# EAGLE board Mk4 Final Panel 8up 2x4 (EAGLE 9.0.1), part 4 of 23 (continued)
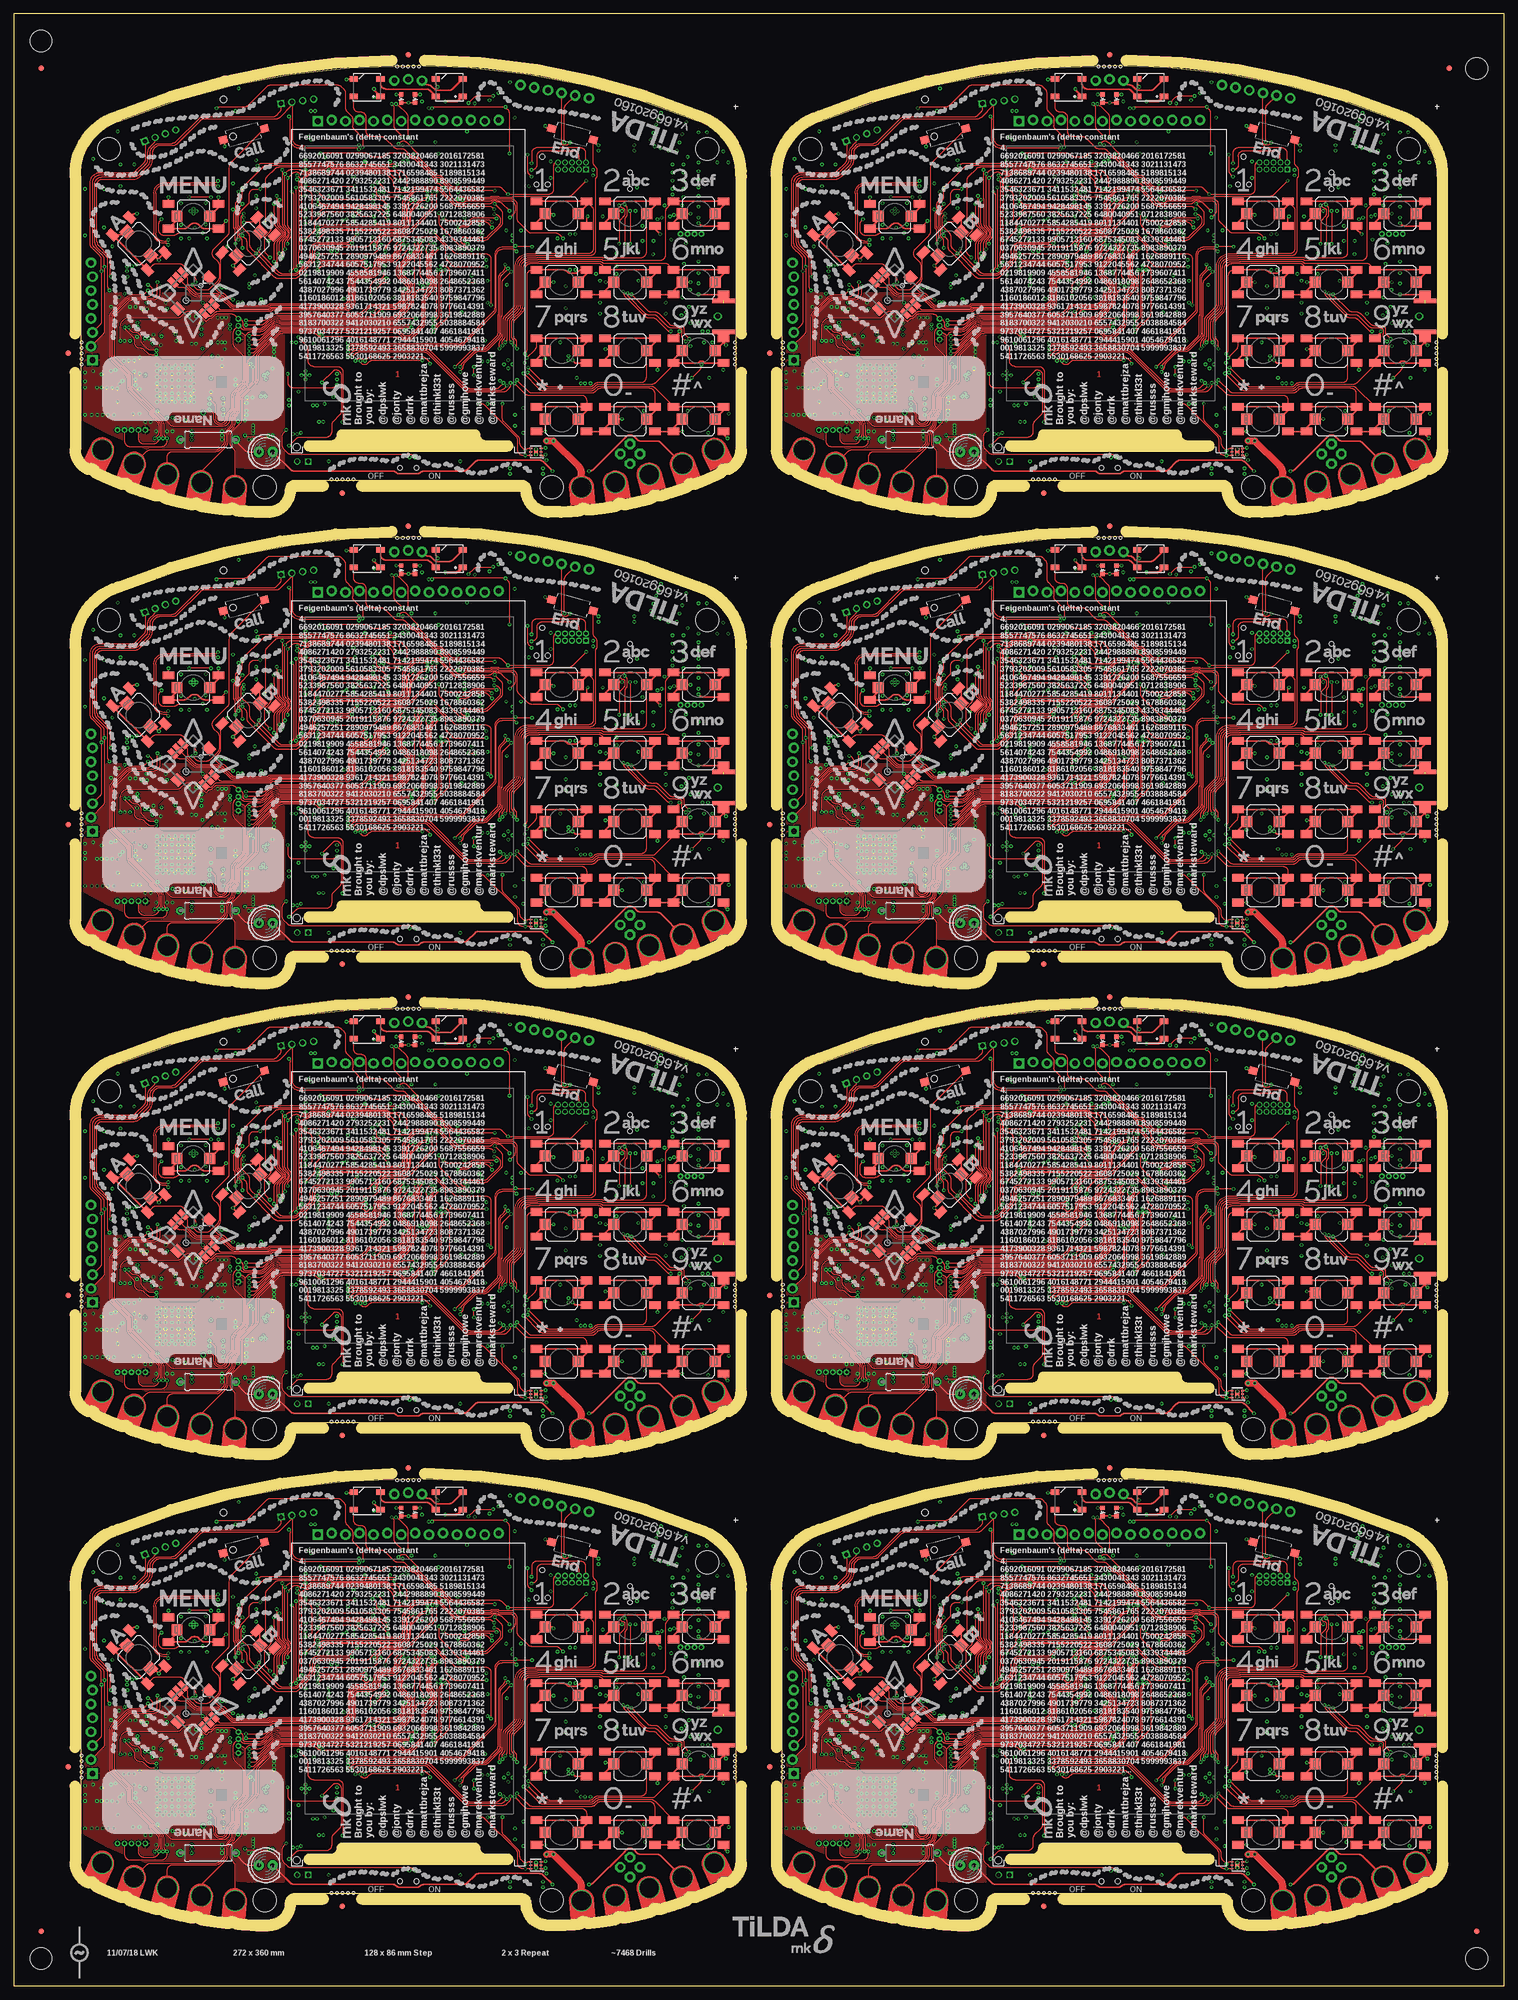
[diagram p0: board, top side]
## Nets (continued)
AMP_IN_P [Audio]: J9.2 J9.3 R57.2 R75.2 R77.2
AMP_IN_P1 [Audio]: J17.2 J17.3 R135.2 R153.2 R156.2
AMP_IN_P2 [Audio]: J27.2 J27.3 R213.2 R231.2 R234.2
AMP_IN_P3 [Audio]: J37.2 J37.3 R291.2 R309.2 R312.2
AMP_IN_P4 [Audio]: J47.2 J47.3 R369.2 R387.2 R390.2
AMP_IN_P5 [Audio]: J57.2 J57.3 R447.2 R465.2 R468.2
AMP_IN_P6 [Audio]: J67.2 J67.3 R525.2 R543.2 R546.2
AMP_IN_P7 [Audio]: J77.2 J77.3 R603.2 R621.2 R624.2
AMP_IN_R1_N: C106.1 R78.1
AMP_IN_R1_N1: C214.1 R154.1
AMP_IN_R1_N2: C322.1 R232.1
AMP_IN_R1_N3: C430.1 R310.1
AMP_IN_R1_N4: C538.1 R388.1
AMP_IN_R1_N5: C646.1 R466.1
AMP_IN_R1_N6: C754.1 R544.1
AMP_IN_R1_N7: C862.1 R622.1
AMP_IN_R1_P: C105.1 R77.1
AMP_IN_R1_P1: C213.1 R153.1
AMP_IN_R1_P2: C321.1 R231.1
AMP_IN_R1_P3: C429.1 R309.1
AMP_IN_R1_P4: C537.1 R387.1
AMP_IN_R1_P5: C645.1 R465.1
AMP_IN_R1_P6: C753.1 R543.1
AMP_IN_R1_P7: C861.1 R621.1
AMP_IN_R_N [Audio]: C82.1 R58.1
AMP_IN_R_N1 [Audio]: C183.1 R136.1
AMP_IN_R_N2 [Audio]: C291.1 R214.1
AMP_IN_R_N3 [Audio]: C399.1 R292.1
AMP_IN_R_N4 [Audio]: C507.1 R370.1
AMP_IN_R_N5 [Audio]: C615.1 R448.1
AMP_IN_R_N6 [Audio]: C723.1 R526.1
AMP_IN_R_N7 [Audio]: C831.1 R604.1
AMP_IN_R_P [Audio]: C83.1 R57.1
AMP_IN_R_P1 [Audio]: C184.1 R135.1
AMP_IN_R_P2 [Audio]: C292.1 R213.1
AMP_IN_R_P3 [Audio]: C400.1 R291.1
AMP_IN_R_P4 [Audio]: C508.1 R369.1
AMP_IN_R_P5 [Audio]: C616.1 R447.1
AMP_IN_R_P6 [Audio]: C724.1 R525.1
AMP_IN_R_P7 [Audio]: C832.1 R603.1
AMP_IN_TRS_P [Audio]: IC13.3 J9.5 J9.6 R75.1
AMP_IN_TRS_P1 [Audio]: IC28.3 J17.5 J17.6 R156.1
AMP_IN_TRS_P2 [Audio]: IC46.3 J27.5 J27.6 R234.1
AMP_IN_TRS_P3 [Audio]: IC64.3 J37.5 J37.6 R312.1
AMP_IN_TRS_P4 [Audio]: IC82.3 J47.5 J47.6 R390.1
AMP_IN_TRS_P5 [Audio]: IC100.3 J57.5 J57.6 R468.1
AMP_IN_TRS_P6 [Audio]: IC118.3 J67.5 J67.6 R546.1
AMP_IN_TRS_P7 [Audio]: IC136.3 J77.5 J77.6 R624.1
BQ_!CE: IC8.9 R17.1
BQ_!CE1: IC24.9 R99.1
BQ_!CE2: IC42.9 R177.1
BQ_!CE3: IC60.9 R255.1
BQ_!CE4: IC78.9 R333.1
BQ_!CE5: IC96.9 R411.1
BQ_!CE6: IC114.9 R489.1
BQ_!CE7: IC132.9 R567.1
BQ_!INT: IC1.14 IC8.7
BQ_!INT1: IC20.14 IC24.7
BQ_!INT2: IC38.14 IC42.7
BQ_!INT3: IC56.14 IC60.7
BQ_!INT4: IC74.14 IC78.7
BQ_!INT5: IC92.14 IC96.7
BQ_!INT6: IC110.14 IC114.7
BQ_!INT7: IC128.14 IC132.7
BQ_!PG: IC8.3
BQ_!PG1: IC24.3
BQ_!PG2: IC42.3
BQ_!PG3: IC60.3
BQ_!PG4: IC78.3
BQ_!PG5: IC96.3
BQ_!PG6: IC114.3
BQ_!PG7: IC132.3
BQ_!QON: IC8.12 JP3.2
BQ_!QON1: IC24.12 JP13.2
BQ_!QON2: IC42.12 JP22.2
BQ_!QON3: IC60.12 JP31.2
BQ_!QON4: IC78.12 JP40.2
BQ_!QON5: IC96.12 JP49.2
BQ_!QON6: IC114.12 JP58.2
BQ_!QON7: IC132.12 JP67.2
BQ_PMID: C36.1 IC8.23
BQ_PMID1: C148.1 IC24.23
BQ_PMID2: C256.1 IC42.23
BQ_PMID3: C364.1 IC60.23
BQ_PMID4: C472.1 IC78.23
BQ_PMID5: C580.1 IC96.23
BQ_PMID6: C688.1 IC114.23
BQ_PMID7: C796.1 IC132.23
BQ_PSEL: IC8.2 R18.1 R19.1
BQ_PSEL1: IC24.2 R100.1 R101.1
BQ_PSEL2: IC42.2 R178.1 R179.1
BQ_PSEL3: IC60.2 R256.1 R257.1
BQ_PSEL4: IC78.2 R334.1 R335.1
BQ_PSEL5: IC96.2 R412.1 R413.1
BQ_PSEL6: IC114.2 R490.1 R491.1
BQ_PSEL7: IC132.2 R568.1 R569.1
BQ_REGN: C39.2 IC8.22 R16.2
BQ_REGN1: C149.2 IC24.22 R98.2
BQ_REGN2: C257.2 IC42.22 R176.2
BQ_REGN3: C365.2 IC60.22 R254.2
BQ_REGN4: C473.2 IC78.22 R332.2
BQ_REGN5: C581.2 IC96.22 R410.2
BQ_REGN6: C689.2 IC114.22 R488.2
BQ_REGN7: C797.2 IC132.22 R566.2
BQ_STAT: IC8.4 R20.1
BQ_STAT1: IC24.4 R102.1
BQ_STAT2: IC42.4 R180.1
BQ_STAT3: IC60.4 R258.1
BQ_STAT4: IC78.4 R336.1
BQ_STAT5: IC96.4 R414.1
BQ_STAT6: IC114.4 R492.1
BQ_STAT7: IC132.4 R570.1
BQ_STAT_R: LED6.C R20.2
BQ_STAT_R1: LED12.C R102.2
BQ_STAT_R2: LED18.C R180.2
BQ_STAT_R3: LED24.C R258.2
BQ_STAT_R4: LED30.C R336.2
BQ_STAT_R5: LED36.C R414.2
BQ_STAT_R6: LED42.C R492.2
BQ_STAT_R7: LED48.C R570.2
BQ_SW: C37.2 IC8.19 IC8.20 L1.1
BQ_SW1: C150.2 IC24.19 IC24.20 L12.1
BQ_SW2: C258.2 IC42.19 IC42.20 L21.1
BQ_SW3: C366.2 IC60.19 IC60.20 L30.1
BQ_SW4: C474.2 IC78.19 IC78.20 L39.1
BQ_SW5: C582.2 IC96.19 IC96.20 L48.1
BQ_SW6: C690.2 IC114.19 IC114.20 L57.1
BQ_SW7: C798.2 IC132.19 IC132.20 L66.1
BQ_TS: IC8.11 R15.2 R16.1
BQ_TS1: IC24.11 R97.2 R98.1
BQ_TS2: IC42.11 R175.2 R176.1
BQ_TS3: IC60.11 R253.2 R254.1
BQ_TS4: IC78.11 R331.2 R332.1
BQ_TS5: IC96.11 R409.2 R410.1
BQ_TS6: IC114.11 R487.2 R488.1
BQ_TS7: IC132.11 R565.2 R566.1
BT_ANT [50R Single]: C74.2 IC5.20 L5.1
BT_ANT1 [50R Single]: C175.2 IC21.20 L14.1
BT_ANT2 [50R Single]: C283.2 IC39.20 L23.1
BT_ANT3 [50R Single]: C391.2 IC57.20 L32.1
BT_ANT4 [50R Single]: C499.2 IC75.20 L41.1
BT_ANT5 [50R Single]: C607.2 IC93.20 L50.1
BT_ANT6 [50R Single]: C715.2 IC111.20 L59.1
BT_ANT7 [50R Single]: C823.2 IC129.20 L68.1
BT_ANT_L [50R Single]: ANT2.1 C75.2 L5.2
BT_ANT_L1 [50R Single]: ANT4.1 C176.2 L14.2
BT_ANT_L2 [50R Single]: ANT6.1 C284.2 L23.2
BT_ANT_L3 [50R Single]: ANT8.1 C392.2 L32.2
BT_ANT_L4 [50R Single]: ANT10.1 C500.2 L41.2
BT_ANT_L5 [50R Single]: ANT12.1 C608.2 L50.2
BT_ANT_L6 [50R Single]: ANT14.1 C716.2 L59.2
BT_ANT_L7 [50R Single]: ANT16.1 C824.2 L68.2
BTN_1: IC4.1 S1.2 S1.B1 S1.B2
BTN_2: IC4.3 S2.2 S2.B1 S2.B2
BTN_3: IC4.4 S3.2 S3.B1 S3.B2
BTN_4: IC4.7 S4.2 S4.B1 S4.B2
BTN_5: IC4.6 S5.2 S5.B1 S5.B2
BTN_6: IC4.5 S6.2 S6.B1 S6.B2
BTN_7: IC4.8 S7.2 S7.B1 S7.B2
BTN_8: IC4.10 S8.2 S8.B1 S8.B2
BTN_9: IC4.11 S9.2 S9.B1 S9.B2
BTN_10: IC4.14 S10.2 S10.B1 S10.B2
BTN_11: IC4.13 S11.2 S11.B1 S11.B2
BTN_12: IC4.12 S12.2 S12.B1 S12.B2
BTN_13: IC31.1 S21.2 S21.B1 S21.B2
BTN_14: IC31.3 S26.2 S26.B1 S26.B2
BTN_15: IC31.4 S30.2 S30.B1 S30.B2
BTN_16: IC31.14 S25.2 S25.B1 S25.B2
BTN_17: IC31.6 S27.2 S27.B1 S27.B2
BTN_18: IC31.10 S28.2 S28.B1 S28.B2
BTN_19: IC31.13 S29.2 S29.B1 S29.B2
BTN_20: IC31.5 S31.2 S31.B1 S31.B2
BTN_21: IC31.11 S32.2 S32.B1 S32.B2
BTN_22: IC31.12 S33.2 S33.B1 S33.B2
BTN_23: IC31.7 S23.2 S23.B1 S23.B2
BTN_24: IC31.8 S24.2 S24.B1 S24.B2
BTN_25: IC49.1 S43.2 S43.B1 S43.B2
BTN_26: IC49.3 S47.2 S47.B1 S47.B2
BTN_27: IC49.4 S51.2 S51.B1 S51.B2
BTN_28: IC49.14 S46.2 S46.B1 S46.B2
BTN_29: IC49.6 S48.2 S48.B1 S48.B2
BTN_30: IC49.10 S49.2 S49.B1 S49.B2
BTN_31: IC49.13 S50.2 S50.B1 S50.B2
BTN_32: IC49.5 S52.2 S52.B1 S52.B2
BTN_33: IC49.11 S53.2 S53.B1 S53.B2
BTN_34: IC49.12 S54.2 S54.B1 S54.B2
BTN_35: IC49.7 S44.2 S44.B1 S44.B2
BTN_36: IC49.8 S45.2 S45.B1 S45.B2
BTN_37: IC67.1 S64.2 S64.B1 S64.B2
BTN_38: IC67.3 S68.2 S68.B1 S68.B2
BTN_39: IC67.4 S72.2 S72.B1 S72.B2
BTN_40: IC67.14 S67.2 S67.B1 S67.B2
BTN_41: IC67.6 S69.2 S69.B1 S69.B2
BTN_42: IC67.10 S70.2 S70.B1 S70.B2
BTN_43: IC67.13 S71.2 S71.B1 S71.B2
BTN_44: IC67.5 S73.2 S73.B1 S73.B2
BTN_45: IC67.11 S74.2 S74.B1 S74.B2
BTN_46: IC67.12 S75.2 S75.B1 S75.B2
BTN_47: IC67.7 S65.2 S65.B1 S65.B2
BTN_48: IC67.8 S66.2 S66.B1 S66.B2
BTN_49: IC85.1 S85.2 S85.B1 S85.B2
BTN_50: IC85.3 S89.2 S89.B1 S89.B2
BTN_51: IC85.4 S93.2 S93.B1 S93.B2
BTN_52: IC85.14 S88.2 S88.B1 S88.B2
BTN_53: IC85.6 S90.2 S90.B1 S90.B2
BTN_54: IC85.10 S91.2 S91.B1 S91.B2
BTN_55: IC85.13 S92.2 S92.B1 S92.B2
BTN_56: IC85.5 S94.2 S94.B1 S94.B2
BTN_57: IC85.11 S95.2 S95.B1 S95.B2
BTN_58: IC85.12 S96.2 S96.B1 S96.B2
BTN_59: IC85.7 S86.2 S86.B1 S86.B2
BTN_60: IC85.8 S87.2 S87.B1 S87.B2
BTN_61: IC103.1 S106.2 S106.B1 S106.B2
BTN_62: IC103.3 S110.2 S110.B1 S110.B2
BTN_63: IC103.4 S114.2 S114.B1 S114.B2
BTN_64: IC103.14 S109.2 S109.B1 S109.B2
BTN_65: IC103.6 S111.2 S111.B1 S111.B2
BTN_66: IC103.10 S112.2 S112.B1 S112.B2
BTN_67: IC103.13 S113.2 S113.B1 S113.B2
BTN_68: IC103.5 S115.2 S115.B1 S115.B2
BTN_69: IC103.11 S116.2 S116.B1 S116.B2
BTN_70: IC103.12 S117.2 S117.B1 S117.B2
BTN_71: IC103.7 S107.2 S107.B1 S107.B2
BTN_72: IC103.8 S108.2 S108.B1 S108.B2
BTN_73: IC121.1 S127.2 S127.B1 S127.B2
BTN_74: IC121.3 S131.2 S131.B1 S131.B2
BTN_75: IC121.4 S135.2 S135.B1 S135.B2
BTN_76: IC121.14 S130.2 S130.B1 S130.B2
BTN_77: IC121.6 S132.2 S132.B1 S132.B2
BTN_78: IC121.10 S133.2 S133.B1 S133.B2
BTN_79: IC121.13 S134.2 S134.B1 S134.B2
BTN_80: IC121.5 S136.2 S136.B1 S136.B2
BTN_81: IC121.11 S137.2 S137.B1 S137.B2
BTN_82: IC121.12 S138.2 S138.B1 S138.B2
BTN_83: IC121.7 S128.2 S128.B1 S128.B2
BTN_84: IC121.8 S129.2 S129.B1 S129.B2
BTN_85: IC139.1 S148.2 S148.B1 S148.B2
BTN_86: IC139.3 S152.2 S152.B1 S152.B2
BTN_87: IC139.4 S156.2 S156.B1 S156.B2
BTN_88: IC139.14 S151.2 S151.B1 S151.B2
BTN_89: IC139.6 S153.2 S153.B1 S153.B2
BTN_90: IC139.10 S154.2 S154.B1 S154.B2
BTN_91: IC139.13 S155.2 S155.B1 S155.B2
BTN_92: IC139.5 S157.2 S157.B1 S157.B2
BTN_93: IC139.11 S158.2 S158.B1 S158.B2
BTN_94: IC139.12 S159.2 S159.B1 S159.B2
BTN_95: IC139.7 S149.2 S149.B1 S149.B2
BTN_96: IC139.8 S150.2 S150.B1 S150.B2
BTN_A: IC4.16 S13.2 S13.B1 S13.B2
BTN_A1: IC31.16 S35.2 S35.B1 S35.B2
BTN_A2: IC49.16 S56.2 S56.B1 S56.B2
BTN_A3: IC67.16 S77.2 S77.B1 S77.B2
BTN_A4: IC85.16 S98.2 S98.B1 S98.B2
BTN_A5: IC103.16 S119.2 S119.B1 S119.B2
BTN_A6: IC121.16 S140.2 S140.B1 S140.B2
BTN_A7: IC139.16 S161.2 S161.B1 S161.B2
BTN_B: IC4.17 S15.2 S15.B1 S15.B2
BTN_B1: IC31.17 S34.2 S34.B1 S34.B2
BTN_B2: IC49.17 S55.2 S55.B1 S55.B2
BTN_B3: IC67.17 S76.2 S76.B1 S76.B2
BTN_B4: IC85.17 S97.2 S97.B1 S97.B2
BTN_B5: IC103.17 S118.2 S118.B1 S118.B2
BTN_B6: IC121.17 S139.2 S139.B1 S139.B2
BTN_B7: IC139.17 S160.2 S160.B1 S160.B2
BTN_CALL: IC4.15 S16.2
BTN_CALL1: IC31.15 S37.2
BTN_CALL2: IC49.15 S58.2
BTN_CALL3: IC67.15 S79.2
BTN_CALL4: IC85.15 S100.2
BTN_CALL5: IC103.15 S121.2
BTN_CALL6: IC121.15 S142.2
BTN_CALL7: IC139.15 S163.2
BTN_END: IC4.2 S17.2
BTN_END1: IC31.2 S38.2
BTN_END2: IC49.2 S59.2
BTN_END3: IC67.2 S80.2
BTN_END4: IC85.2 S101.2
BTN_END5: IC103.2 S122.2
BTN_END6: IC121.2 S143.2
BTN_END7: IC139.2 S164.2
BTN_MENU: IC1.102 S14.2 S14.B1 S14.B2
BTN_MENU1: IC20.102 S36.2 S36.B1 S36.B2
BTN_MENU2: IC38.102 S57.2 S57.B1 S57.B2
BTN_MENU3: IC56.102 S78.2 S78.B1 S78.B2
BTN_MENU4: IC74.102 S99.2 S99.B1 S99.B2
BTN_MENU5: IC92.102 S120.2 S120.B1 S120.B2
BTN_MENU6: IC110.102 S141.2 S141.B1 S141.B2
BTN_MENU7: IC128.102 S162.2 S162.B1 S162.B2
BTST: C37.1 IC8.21
BTST1: C150.1 IC24.21
BTST2: C258.1 IC42.21
BTST3: C366.1 IC60.21
BTST4: C474.1 IC78.21
BTST5: C582.1 IC96.21
BTST6: C690.1 IC114.21
BTST7: C798.1 IC132.21
CC_!CTS: IC15.61
CC_!CTS1: IC29.61
CC_!CTS2: IC47.61
CC_!CTS3: IC65.61
CC_!CTS4: IC83.61
CC_!CTS5: IC101.61
CC_!CTS6: IC119.61
CC_!CTS7: IC137.61
CC_!HIB: IC1.124 IC15.2 R25.1
CC_!HIB1: IC20.124 IC29.2 R107.1
CC_!HIB2: IC38.124 IC47.2 R185.1
CC_!HIB3: IC56.124 IC65.2 R263.1
CC_!HIB4: IC74.124 IC83.2 R341.1
CC_!HIB5: IC92.124 IC101.2 R419.1
CC_!HIB6: IC110.124 IC119.2 R497.1
CC_!HIB7: IC128.124 IC137.2 R575.1
CC_!RESET: C60.2 IC1.12 IC15.32 JP5.4 R73.1
CC_!RESET1: C187.2 IC20.12 IC29.32 JP16.4 R151.1
CC_!RESET2: C295.2 IC38.12 IC47.32 JP25.4 R229.1
CC_!RESET3: C403.2 IC56.12 IC65.32 JP34.4 R307.1
CC_!RESET4: C511.2 IC74.12 IC83.32 JP43.4 R385.1
CC_!RESET5: C619.2 IC92.12 IC101.32 JP52.4 R463.1
CC_!RESET6: C727.2 IC110.12 IC119.32 JP61.4 R541.1
CC_!RESET7: C835.2 IC128.12 IC137.32 JP70.4 R619.1
CC_!RTS: IC15.50 R70.1
CC_!RTS1: IC29.50 R148.1
CC_!RTS2: IC47.50 R226.1
CC_!RTS3: IC65.50 R304.1
CC_!RTS4: IC83.50 R382.1
CC_!RTS5: IC101.50 R460.1
CC_!RTS6: IC119.50 R538.1
CC_!RTS7: IC137.50 R616.1
CC_IRQ: IC1.123 IC15.15 R72.1
CC_IRQ1: IC20.123 IC29.15 R150.1
CC_IRQ2: IC38.123 IC47.15 R228.1
CC_IRQ3: IC56.123 IC65.15 R306.1
CC_IRQ4: IC74.123 IC83.15 R384.1
CC_IRQ5: IC92.123 IC101.15 R462.1
CC_IRQ6: IC110.123 IC119.15 R540.1
CC_IRQ7: IC128.123 IC137.15 R618.1
CC_RCT_XTAL_N: C100.2 IC15.52 X3.P$1
CC_RCT_XTAL_N1: C208.2 IC29.52 X7.P$1
CC_RCT_XTAL_N2: C316.2 IC47.52 X11.P$1
CC_RCT_XTAL_N3: C424.2 IC65.52 X15.P$1
CC_RCT_XTAL_N4: C532.2 IC83.52 X19.P$1
CC_RCT_XTAL_N5: C640.2 IC101.52 X23.P$1
CC_RCT_XTAL_N6: C748.2 IC119.52 X27.P$1
CC_RCT_XTAL_N7: C856.2 IC137.52 X31.P$1
CC_RESERVED@1: IC29.19 R143.1
CC_RESERVED@2: IC47.19 R221.1
CC_RESERVED@3: IC65.19 R299.1
CC_RESERVED@4: IC83.19 R377.1
CC_RESERVED@5: IC101.19 R455.1
CC_RESERVED@6: IC119.19 R533.1
CC_RESERVED@7: IC137.19 R611.1
CC_RESERVED@19: IC15.19 R65.1
CC_RTC_XTAL_P: C101.2 IC15.51 X3.P$2
CC_RTC_XTAL_P1: C209.2 IC29.51 X7.P$2
CC_RTC_XTAL_P2: C317.2 IC47.51 X11.P$2
CC_RTC_XTAL_P3: C425.2 IC65.51 X15.P$2
CC_RTC_XTAL_P4: C533.2 IC83.51 X19.P$2
CC_RTC_XTAL_P5: C641.2 IC101.51 X23.P$2
CC_RTC_XTAL_P6: C749.2 IC119.51 X27.P$2
CC_RTC_XTAL_P7: C857.2 IC137.51 X31.P$2
CC_TEST1: IC29.62 TP38.TP
CC_TEST2: IC47.62 TP57.TP
CC_TEST3: IC65.62 TP76.TP
CC_TEST4: IC83.62 TP95.TP
CC_TEST5: IC101.62 TP114.TP
CC_TEST6: IC119.62 TP133.TP
CC_TEST7: IC137.62 TP152.TP
CC_TEST62: IC15.62 TP19.TP
CC_WLAN_XTAL_: C99.2 IC15.22 X4.3
CC_WLAN_XTAL_1: C207.2 IC29.22 X8.3
CC_WLAN_XTAL_2: C315.2 IC47.22 X12.3
CC_WLAN_XTAL_3: C423.2 IC65.22 X16.3
CC_WLAN_XTAL_4: C531.2 IC83.22 X20.3
CC_WLAN_XTAL_5: C639.2 IC101.22 X24.3
CC_WLAN_XTAL_6: C747.2 IC119.22 X28.3
CC_WLAN_XTAL_7: C855.2 IC137.22 X32.3
CC_WLAN_XTAL_P: C98.2 IC15.23 X4.1
CC_WLAN_XTAL_P1: C206.2 IC29.23 X8.1
CC_WLAN_XTAL_P2: C314.2 IC47.23 X12.1
CC_WLAN_XTAL_P3: C422.2 IC65.23 X16.1
CC_WLAN_XTAL_P4: C530.2 IC83.23 X20.1
CC_WLAN_XTAL_P5: C638.2 IC101.23 X24.1
CC_WLAN_XTAL_P6: C746.2 IC119.23 X28.1
CC_WLAN_XTAL_P7: C854.2 IC137.23 X32.1
DCDC_ANA2_SW_N: IC15.46
DCDC_ANA2_SW_N1: IC29.46
DCDC_ANA2_SW_N2: IC47.46
DCDC_ANA2_SW_N3: IC65.46
DCDC_ANA2_SW_N4: IC83.46
DCDC_ANA2_SW_N5: IC101.46
DCDC_ANA2_SW_N6: IC119.46
DCDC_ANA2_SW_N7: IC137.46
DCDC_ANA2_SW_P: IC15.45
DCDC_ANA2_SW_P1: IC29.45
DCDC_ANA2_SW_P2: IC47.45
DCDC_ANA2_SW_P3: IC65.45
DCDC_ANA2_SW_P4: IC83.45
DCDC_ANA2_SW_P5: IC101.45
DCDC_ANA2_SW_P6: IC119.45
DCDC_ANA2_SW_P7: IC137.45
DCDC_ANA_SW: IC15.38 L7.2
DCDC_ANA_SW1: IC29.38 L16.2
DCDC_ANA_SW2: IC47.38 L25.2
DCDC_ANA_SW3: IC65.38 L34.2
DCDC_ANA_SW4: IC83.38 L43.2
DCDC_ANA_SW5: IC101.38 L52.2
DCDC_ANA_SW6: IC119.38 L61.2
DCDC_ANA_SW7: IC137.38 L70.2
DCDC_DIG_SW: IC15.43 L9.2
DCDC_DIG_SW1: IC29.43 L18.2
DCDC_DIG_SW2: IC47.43 L27.2
DCDC_DIG_SW3: IC65.43 L36.2
DCDC_DIG_SW4: IC83.43 L45.2
DCDC_DIG_SW5: IC101.43 L54.2
DCDC_DIG_SW6: IC119.43 L63.2
DCDC_DIG_SW7: IC137.43 L72.2
DCDC_PA_SW_N: IC15.41 L8.1
DCDC_PA_SW_N1: IC29.41 L17.1
DCDC_PA_SW_N2: IC47.41 L26.1
DCDC_PA_SW_N3: IC65.41 L35.1
DCDC_PA_SW_N4: IC83.41 L44.1
DCDC_PA_SW_N5: IC101.41 L53.1
DCDC_PA_SW_N6: IC119.41 L62.1
DCDC_PA_SW_N7: IC137.41 L71.1
DCDC_PA_SW_P: IC15.40 L8.2
DCDC_PA_SW_P1: IC29.40 L17.2
DCDC_PA_SW_P2: IC47.40 L26.2
DCDC_PA_SW_P3: IC65.40 L35.2
DCDC_PA_SW_P4: IC83.40 L44.2
DCDC_PA_SW_P5: IC101.40 L53.2
DCDC_PA_SW_P6: IC119.40 L62.2
DCDC_PA_SW_P7: IC137.40 L71.2
EN0RXI_N [100R Diff]: IC1.53 JP7.6
EN0RXI_N1 [100R Diff]: IC20.53 JP12.6
EN0RXI_N2 [100R Diff]: IC38.53 JP21.6
EN0RXI_N3 [100R Diff]: IC56.53 JP30.6
EN0RXI_N4 [100R Diff]: IC74.53 JP39.6
EN0RXI_N5 [100R Diff]: IC92.53 JP48.6
EN0RXI_N6 [100R Diff]: IC110.53 JP57.6
EN0RXI_N7 [100R Diff]: IC128.53 JP66.6
EN0RXI_P [100R Diff]: IC1.54 JP7.7
EN0RXI_P1 [100R Diff]: IC20.54 JP12.7
EN0RXI_P2 [100R Diff]: IC38.54 JP21.7
EN0RXI_P3 [100R Diff]: IC56.54 JP30.7
EN0RXI_P4 [100R Diff]: IC74.54 JP39.7
EN0RXI_P5 [100R Diff]: IC92.54 JP48.7
EN0RXI_P6 [100R Diff]: IC110.54 JP57.7
EN0RXI_P7 [100R Diff]: IC128.54 JP66.7
EN0TXO_N [100R Diff]: IC1.56 JP7.12
EN0TXO_N1 [100R Diff]: IC20.56 JP12.12
EN0TXO_N2 [100R Diff]: IC38.56 JP21.12
EN0TXO_N3 [100R Diff]: IC56.56 JP30.12
EN0TXO_N4 [100R Diff]: IC74.56 JP39.12
EN0TXO_N5 [100R Diff]: IC92.56 JP48.12
EN0TXO_N6 [100R Diff]: IC110.56 JP57.12
EN0TXO_N7 [100R Diff]: IC128.56 JP66.12
EN0TXO_P [100R Diff]: IC1.57 JP7.13
EN0TXO_P1 [100R Diff]: IC20.57 JP12.13
EN0TXO_P2 [100R Diff]: IC38.57 JP21.13
EN0TXO_P3 [100R Diff]: IC56.57 JP30.13
EN0TXO_P4 [100R Diff]: IC74.57 JP39.13
EN0TXO_P5 [100R Diff]: IC92.57 JP48.13
EN0TXO_P6 [100R Diff]: IC110.57 JP57.13
EN0TXO_P7 [100R Diff]: IC128.57 JP66.13
ETHLED0: IC1.42 R1.2
ETHLED0_R: JP7.3 R1.1
ETHLED0_R1: JP12.3 R85.1
ETHLED0_R2: JP21.3 R163.1
ETHLED0_R3: JP30.3 R241.1
ETHLED0_R4: JP39.3 R319.1
ETHLED0_R5: JP48.3 R397.1
ETHLED0_R6: JP57.3 R475.1
ETHLED0_R7: JP66.3 R553.1
ETHLED1: IC1.43 R2.2
ETHLED1_R: JP7.5 R2.1
ETHLED1_R1: JP12.5 R86.1
ETHLED1_R2: JP21.5 R164.1
ETHLED1_R3: JP30.5 R242.1
ETHLED1_R4: JP39.5 R320.1
ETHLED1_R5: JP48.5 R398.1
ETHLED1_R6: JP57.5 R476.1
ETHLED1_R7: JP66.5 R554.1
ETHLED2: IC20.42 R85.2
ETHLED3: IC20.43 R86.2
ETHLED4: IC38.42 R163.2
ETHLED5: IC38.43 R164.2
ETHLED6: IC56.42 R241.2
ETHLED7: IC56.43 R242.2
ETHLED8: IC74.42 R319.2
ETHLED9: IC74.43 R320.2
ETHLED10: IC92.42 R397.2
ETHLED11: IC92.43 R398.2
ETHLED12: IC110.42 R475.2
ETHLED13: IC110.43 R476.2
ETHLED14: IC128.42 R553.2
ETHLED15: IC128.43 R554.2
FET: IC1.110 Q2.1 R59.1
FET1: IC20.110 Q5.1 R137.1
FET2: IC38.110 Q10.1 R215.1
FET3: IC56.110 Q14.1 R293.1
FET4: IC74.110 Q18.1 R371.1
FET5: IC92.110 Q22.1 R449.1
FET6: IC110.110 Q26.1 R527.1
FET7: IC128.110 Q30.1 R605.1
FET_OUT: LED5.K PCB.FET Q2.3
FET_OUT1: LED11.K PCB1.FET Q5.3
FET_OUT2: LED17.K PCB2.FET Q10.3
FET_OUT3: LED23.K PCB3.FET Q14.3
FET_OUT4: LED29.K PCB4.FET Q18.3
FET_OUT5: LED35.K PCB5.FET Q22.3
FET_OUT6: LED41.K PCB6.FET Q26.3
FET_OUT7: LED47.K PCB7.FET Q30.3
FLASH_!CS: IC14.1 IC15.14 JP1.3 R67.1
FLASH_!CS1: IC29.14 IC30.1 JP15.3 R145.1
FLASH_!CS2: IC47.14 IC48.1 JP24.3 R223.1
FLASH_!CS3: IC65.14 IC66.1 JP33.3 R301.1
FLASH_!CS4: IC83.14 IC84.1 JP42.3 R379.1
FLASH_!CS5: IC101.14 IC102.1 JP51.3 R457.1
FLASH_!CS6: IC119.14 IC120.1 JP60.3 R535.1
FLASH_!CS7: IC137.14 IC138.1 JP69.3 R613.1
FLASH_!HOLD: IC6.7 R9.2
FLASH_!HOLD1: IC22.7 R93.2
FLASH_!HOLD2: IC40.7 R171.2
FLASH_!HOLD3: IC58.7 R249.2
FLASH_!HOLD4: IC76.7 R327.2
FLASH_!HOLD5: IC94.7 R405.2
FLASH_!HOLD6: IC112.7 R483.2
FLASH_!HOLD7: IC130.7 R561.2
FLASH_!WP: IC6.3 R10.2
FLASH_!WP1: IC22.3 R94.2
FLASH_!WP2: IC40.3 R172.2
FLASH_!WP3: IC58.3 R250.2
FLASH_!WP4: IC76.3 R328.2
FLASH_!WP5: IC94.3 R406.2
FLASH_!WP6: IC112.3 R484.2
FLASH_!WP7: IC130.3 R562.2
FLASH_CLK: IC14.6 IC15.11 JP1.4
FLASH_CLK1: IC29.11 IC30.6 JP15.4
FLASH_CLK2: IC47.11 IC48.6 JP24.4
FLASH_CLK3: IC65.11 IC66.6 JP33.4
FLASH_CLK4: IC83.11 IC84.6 JP42.4
FLASH_CLK5: IC101.11 IC102.6 JP51.4
FLASH_CLK6: IC119.11 IC120.6 JP60.4
FLASH_CLK7: IC137.11 IC138.6 JP69.4
FLASH_MISO: IC14.2 IC15.13 JP1.2
FLASH_MISO1: IC29.13 IC30.2 JP15.2
FLASH_MISO2: IC47.13 IC48.2 JP24.2
FLASH_MISO3: IC65.13 IC66.2 JP33.2
FLASH_MISO4: IC83.13 IC84.2 JP42.2
FLASH_MISO5: IC101.13 IC102.2 JP51.2
FLASH_MISO6: IC119.13 IC120.2 JP60.2
FLASH_MISO7: IC137.13 IC138.2 JP69.2
FLASH_MOSI: IC14.5 IC15.12 JP1.5
FLASH_MOSI1: IC29.12 IC30.5 JP15.5
FLASH_MOSI2: IC47.12 IC48.5 JP24.5
FLASH_MOSI3: IC65.12 IC66.5 JP33.5
FLASH_MOSI4: IC83.12 IC84.5 JP42.5
FLASH_MOSI5: IC101.12 IC102.5 JP51.5
FLASH_MOSI6: IC119.12 IC120.5 JP60.5
FLASH_MOSI7: IC137.12 IC138.5 JP69.5
FLASH_PU: IC14.3 IC14.7 R66.2
FLASH_PU1: IC30.3 IC30.7 R144.2
FLASH_PU2: IC48.3 IC48.7 R222.2
FLASH_PU3: IC66.3 IC66.7 R300.2
FLASH_PU4: IC84.3 IC84.7 R378.2
FLASH_PU5: IC102.3 IC102.7 R456.2
FLASH_PU6: IC120.3 IC120.7 R534.2
FLASH_PU7: IC138.3 IC138.7 R612.2
GMS_ANT_L [50R Single]: C73.2 D2.1 J4.ANT J7.1 L3.2
GMS_ANT_L1 [50R Single]: C174.2 D4.1 J15.ANT J19.1 L13.2
GMS_ANT_L2 [50R Single]: C282.2 D6.1 J25.ANT J29.1 L22.2
GMS_ANT_L3 [50R Single]: C390.2 D8.1 J35.ANT J39.1 L31.2
GMS_ANT_L4 [50R Single]: C498.2 D10.1 J45.ANT J49.1 L40.2
GMS_ANT_L5 [50R Single]: C606.2 D12.1 J55.ANT J59.1 L49.2
GMS_ANT_L6 [50R Single]: C714.2 D14.1 J65.ANT J69.1 L58.2
GMS_ANT_L7 [50R Single]: C822.2 D16.1 J75.ANT J79.1 L67.2
GND: ANT1.2 ANT1.3 ANT1.4 ANT2.2 ANT2.3 ANT2.4 C1.2 C2.1 C3.1 C4.1 C5.1 C6.1 C7.1 C8.1 C9.1 C10.1 C11.1 C12.1 C13.1 C14.1 C15.1 C16.1 C17.1 C18.1 C19.1 C20.1 C21.1 C22.1 C23.1 C24.1 C25.1 C26.1 C27.1 C28.1 C29.- C30.1 C31.1 C32.- C33.2 C34.2 C35.2 C36.2 C38.1 C39.1 C40.2 C41.2 C42.1 C43.1 C44.2 C45.1 C46.2 C47.2 C48.1 C49.1 C50.1 C51.1 C53.2 C54.2 C55.2 C57.2 C58.2 C59.1 C60.1 C61.2 C62.2 C63.2 C65.2 C66.2 C67.2 C69.2 C70.1 C71.1 C72.1 C73.1 C74.1 C75.1 C76.1 C77.1 C78.1 C84.2 C85.2 C86.2 C87.2 C88.2 C89.2 C90.2 C91.2 C92.2 C93.2 C94.2 C95.2 C96.2 C97.2 C98.1 C99.1 C100.1 C101.1 C102.2 C104.2 C106.2 C107.2 C108.2 D1.A D2.2 FL1.GND@2 FL1.GND@4 IC1.10 IC1.17 IC1.48 IC1.55 IC1.58 IC1.80 IC1.114 IC2.6 IC2.12 IC2.28 IC2.41 IC2.46 IC2.52 IC2.54 IC3.2 IC3.3 IC4.9 IC4.18 IC4.23 IC4.24 IC4.25 IC5.8 IC5.13 IC5.19 IC5.21 IC5.27 IC5.30 IC5.31 IC5.33 IC5.36 IC5.37 IC6.4 IC7.3 IC8.17 IC8.18 IC8.25 IC9.3 IC9.5 IC10.3 IC11.4 IC12.7 IC13.7 IC13.PAD IC14.4 IC15.PAD IC16.2 IC16.4 IC17.2 IC17.3 IC17.PAD IC18.3 J1.C4 J1.C5 J1.GND1 J1.GND2 J1.GND3 J1.GND4 J1.GND5 J1.GND6 J2.6 J2.11 J2.12 J2.13 J2.14 J2.15 J2.16 J2.17 J2.18 J2.19 J2.20 J2.21 J2.22 J2.23 J2.24 J2.25 J2.26 J2.27 J2.28 J2.29 J2.30 J2.31 J2.32 J2.43 J2.48 J2.49 J2.50 J3.3 J3.5 J3.9 J5.1 J7.G@1 J7.G@2 J7.G@3 J7.G@4 J8.4 J8.8 J8.SS1 J8.SS2 J9.4 J10.4 J10.8 J10.SS1 J10.SS2 J11.1 JP1.1 JP2.1 JP3.1 JP4.5 JP5.1 JP6.1 JP7.1 JP7.2 JP7.4 JP8.1 JP9.1 LED1.3 LED2.3 LED3.C LED4.C PCB.GND Q1.2 Q2.2 Q8.4 Q8.EP2 R3.2 R7.2 R15.1 R17.2 R19.2 R25.2 R30.2 R38.2 R39.2 R40.2 R51.2 R55.1 R59.2 R61.2 R62.2 R63.2 R64.2 R65.2 R70.2 R71.2 R72.2 R74.2 S1.1 S1.A1 S1.A2 S2.1 S2.A1 S2.A2 S3.1 S3.A1 S3.A2 S4.1 S4.A1 S4.A2 S5.1 S5.A1 S5.A2 S6.1 S6.A1 S6.A2 S7.1 S7.A1 S7.A2 S8.1 S8.A1 S8.A2 S9.1 S9.A1 S9.A2 S10.1 S10.A1 S10.A2 S11.1 S11.A1 S11.A2 S12.1 S12.A1 S12.A2 S13.1 S13.A1 S13.A2 S14.1 S14.A1 S14.A2 S15.1 S15.A1 S15.A2 S16.1 S17.1 S18.2 S19.1 S20.1 TP17.TP U1.GND X2.2 X2.4 X4.2 X4.4
GND1: ANT3.2 ANT3.3 ANT3.4 ANT4.2 ANT4.3 ANT4.4 C109.1 C110.1 C111.2 C112.1 C113.1 C114.1 C115.1 C116.1 C117.1 C118.1 C119.1 C120.1 C121.1 C122.1 C123.1 C124.1 C125.1 C126.1 C127.1 C128.1 C129.1 C130.1 C131.1 C132.1 C133.1 C134.1 C135.1 C136.1 C137.1 C138.1 C139.- C140.1 C141.1 C142.- C143.2 C144.2 C145.2 C146.2 C147.2 C148.2 C149.1 C151.2 C152.2 C153.1 C154.1 C155.1 C156.1 C157.1 C158.1 C160.2 C161.2 C162.2 C164.2 C166.2 C167.2 C168.2 C170.2 C171.1 C172.1 C173.1 C174.1 C175.1 C176.1 C177.1 C178.1 C179.1 C185.2 C186.1 C187.1 C188.2 C189.2 C190.2 C191.2 C192.2 C193.2 C194.2 C195.2 C196.2 C197.2 C198.2 C199.2 C200.2 C201.2 C202.2 C203.2 C204.2 C205.2 C206.1 C207.1 C208.1 C209.1 C210.2 C212.2 C214.2 C215.2 C216.2 D3.A D4.2 FL2.GND@2 FL2.GND@4 IC19.6 IC19.12 IC19.28 IC19.41 IC19.46 IC19.52 IC19.54 IC20.10 IC20.17 IC20.48 IC20.55 IC20.58 IC20.80 IC20.114 IC21.8 IC21.13 IC21.19 IC21.21 IC21.27 IC21.30 IC21.31 IC21.33 IC21.36 IC21.37 IC22.4 IC23.3 IC24.17 IC24.18 IC24.25 IC25.3 IC26.4 IC27.7 IC28.7 IC28.PAD IC29.PAD IC30.4 IC31.9 IC31.18 IC31.23 IC31.24 IC31.25 IC32.2 IC32.4 IC33.3 IC33.5 IC34.2 IC34.3 IC34.PAD IC35.2 IC35.3 IC36.3 J6.6 J6.11 J6.12 J6.13 J6.14 J6.15 J6.16 J6.17 J6.18 J6.19 J6.20 J6.21 J6.22 J6.23 J6.24 J6.25 J6.26 J6.27 J6.28 J6.29 J6.30 J6.31 J6.32 J6.43 J6.48 J6.49 J6.50 J12.1 J13.3 J13.5 J13.9 J14.C4 J14.C5 J14.GND1 J14.GND2 J14.GND3 J14.GND4 J14.GND5 J14.GND6 J16.4 J16.8 J16.SS1 J16.SS2 J17.4 J18.4 J18.8 J18.SS1 J18.SS2 J19.G@1 J19.G@2 J19.G@3 J19.G@4 J20.1 JP10.5 JP11.1 JP12.1 JP12.2 JP12.4 JP13.1 JP14.1 JP15.1 JP16.1 JP17.1 JP18.1 LED7.3 LED8.3 LED9.C LED10.C PCB1.GND Q4.4 Q4.EP2 Q5.2 Q6.2 R87.2 R91.2 R97.1 R99.2 R101.2 R107.2 R112.2 R114.2 R121.2 R122.2 R129.2 R133.1 R137.2 R139.2 R140.2 R141.2 R142.2 R143.2 R148.2 R149.2 R150.2 R155.2 S21.1 S21.A1 S21.A2 S23.1 S23.A1 S23.A2 S24.1 S24.A1 S24.A2 S25.1 S25.A1 S25.A2 S26.1 S26.A1 S26.A2 S27.1 S27.A1 S27.A2 S28.1 S28.A1 S28.A2 S29.1 S29.A1 S29.A2 S30.1 S30.A1 S30.A2 S31.1 S31.A1 S31.A2 S32.1 S32.A1 S32.A2 S33.1 S33.A1 S33.A2 S34.1 S34.A1 S34.A2 S35.1 S35.A1 S35.A2 S36.1 S36.A1 S36.A2 S37.1 S38.1 S39.2 S40.1 S41.1 TP36.TP U2.GND X6.2 X6.4 X8.2 X8.4
GND2: ANT5.2 ANT5.3 ANT5.4 ANT6.2 ANT6.3 ANT6.4 C217.1 C218.1 C219.2 C220.1 C221.1 C222.1 C223.1 C224.1 C225.1 C226.1 C227.1 C228.1 C229.1 C230.1 C231.1 C232.1 C233.1 C234.1 C235.1 C236.1 C237.1 C238.1 C239.1 C240.1 C241.1 C242.1 C243.1 C244.1 C245.1 C246.1 C247.- C248.1 C249.1 C250.- C251.2 C252.2 C253.2 C254.2 C255.2 C256.2 C257.1 C259.2 C260.2 C261.1 C262.1 C263.1 C264.1 C265.1 C266.1 C268.2 C269.2 C270.2 C272.2 C274.2 C275.2 C276.2 C278.2 C279.1 C280.1 C281.1 C282.1 C283.1 C284.1 C285.1 C286.1 C287.1 C293.2 C294.1 C295.1 C296.2 C297.2 C298.2 C299.2 C300.2 C301.2 C302.2 C303.2 C304.2 C305.2 C306.2 C307.2 C308.2 C309.2 C310.2 C311.2 C312.2 C313.2 C314.1 C315.1 C316.1 C317.1 C318.2 C320.2 C322.2 C323.2 C324.2 D5.A D6.2 FL3.GND@2 FL3.GND@4 IC37.6 IC37.12 IC37.28 IC37.41 IC37.46 IC37.52 IC37.54 IC38.10 IC38.17 IC38.48 IC38.55 IC38.58 IC38.80 IC38.114 IC39.8 IC39.13 IC39.19 IC39.21 IC39.27 IC39.30 IC39.31 IC39.33 IC39.36 IC39.37 IC40.4 IC41.3 IC42.17 IC42.18 IC42.25 IC43.3 IC44.4 IC45.7 IC46.7 IC46.PAD IC47.PAD IC48.4 IC49.9 IC49.18 IC49.23 IC49.24 IC49.25 IC50.2 IC50.4 IC51.3 IC51.5 IC52.2 IC52.3 IC52.PAD IC53.2 IC53.3 IC54.3 J21.6 J21.11 J21.12 J21.13 J21.14 J21.15 J21.16 J21.17 J21.18 J21.19 J21.20 J21.21 J21.22 J21.23 J21.24 J21.25 J21.26 J21.27 J21.28 J21.29 J21.30 J21.31 J21.32 J21.43 J21.48 J21.49 J21.50 J22.1 J23.3 J23.5 J23.9 J24.C4 J24.C5 J24.GND1 J24.GND2 J24.GND3 J24.GND4 J24.GND5 J24.GND6 J26.4 J26.8 J26.SS1 J26.SS2 J27.4 J28.4 J28.8 J28.SS1 J28.SS2 J29.G@1 J29.G@2 J29.G@3 J29.G@4 J30.1 JP19.5 JP20.1 JP21.1 JP21.2 JP21.4 JP22.1 JP23.1 JP24.1 JP25.1 JP26.1 JP27.1 LED13.3 LED14.3 LED15.C LED16.C PCB2.GND Q9.4 Q9.EP2 Q10.2 Q11.2 R165.2 R169.2 R175.1 R177.2 R179.2 R185.2 R190.2 R192.2 R199.2 R200.2 R207.2 R211.1 R215.2 R217.2 R218.2 R219.2 R220.2 R221.2 R226.2 R227.2 R228.2 R233.2 S43.1 S43.A1 S43.A2 S44.1 S44.A1 S44.A2 S45.1 S45.A1 S45.A2 S46.1 S46.A1 S46.A2 S47.1 S47.A1 S47.A2 S48.1 S48.A1 S48.A2 S49.1 S49.A1 S49.A2 S50.1 S50.A1 S50.A2 S51.1 S51.A1 S51.A2 S52.1 S52.A1 S52.A2 S53.1 S53.A1 S53.A2 S54.1 S54.A1 S54.A2 S55.1 S55.A1 S55.A2 S56.1 S56.A1 S56.A2 S57.1 S57.A1 S57.A2 S58.1 S59.1 S60.2 S61.1 S62.1 TP55.TP U7.GND X10.2 X10.4 X12.2 X12.4